# Altium PCB high-spped-thermocouple-logger.PcbDoc (part 2 of 3) (continued)
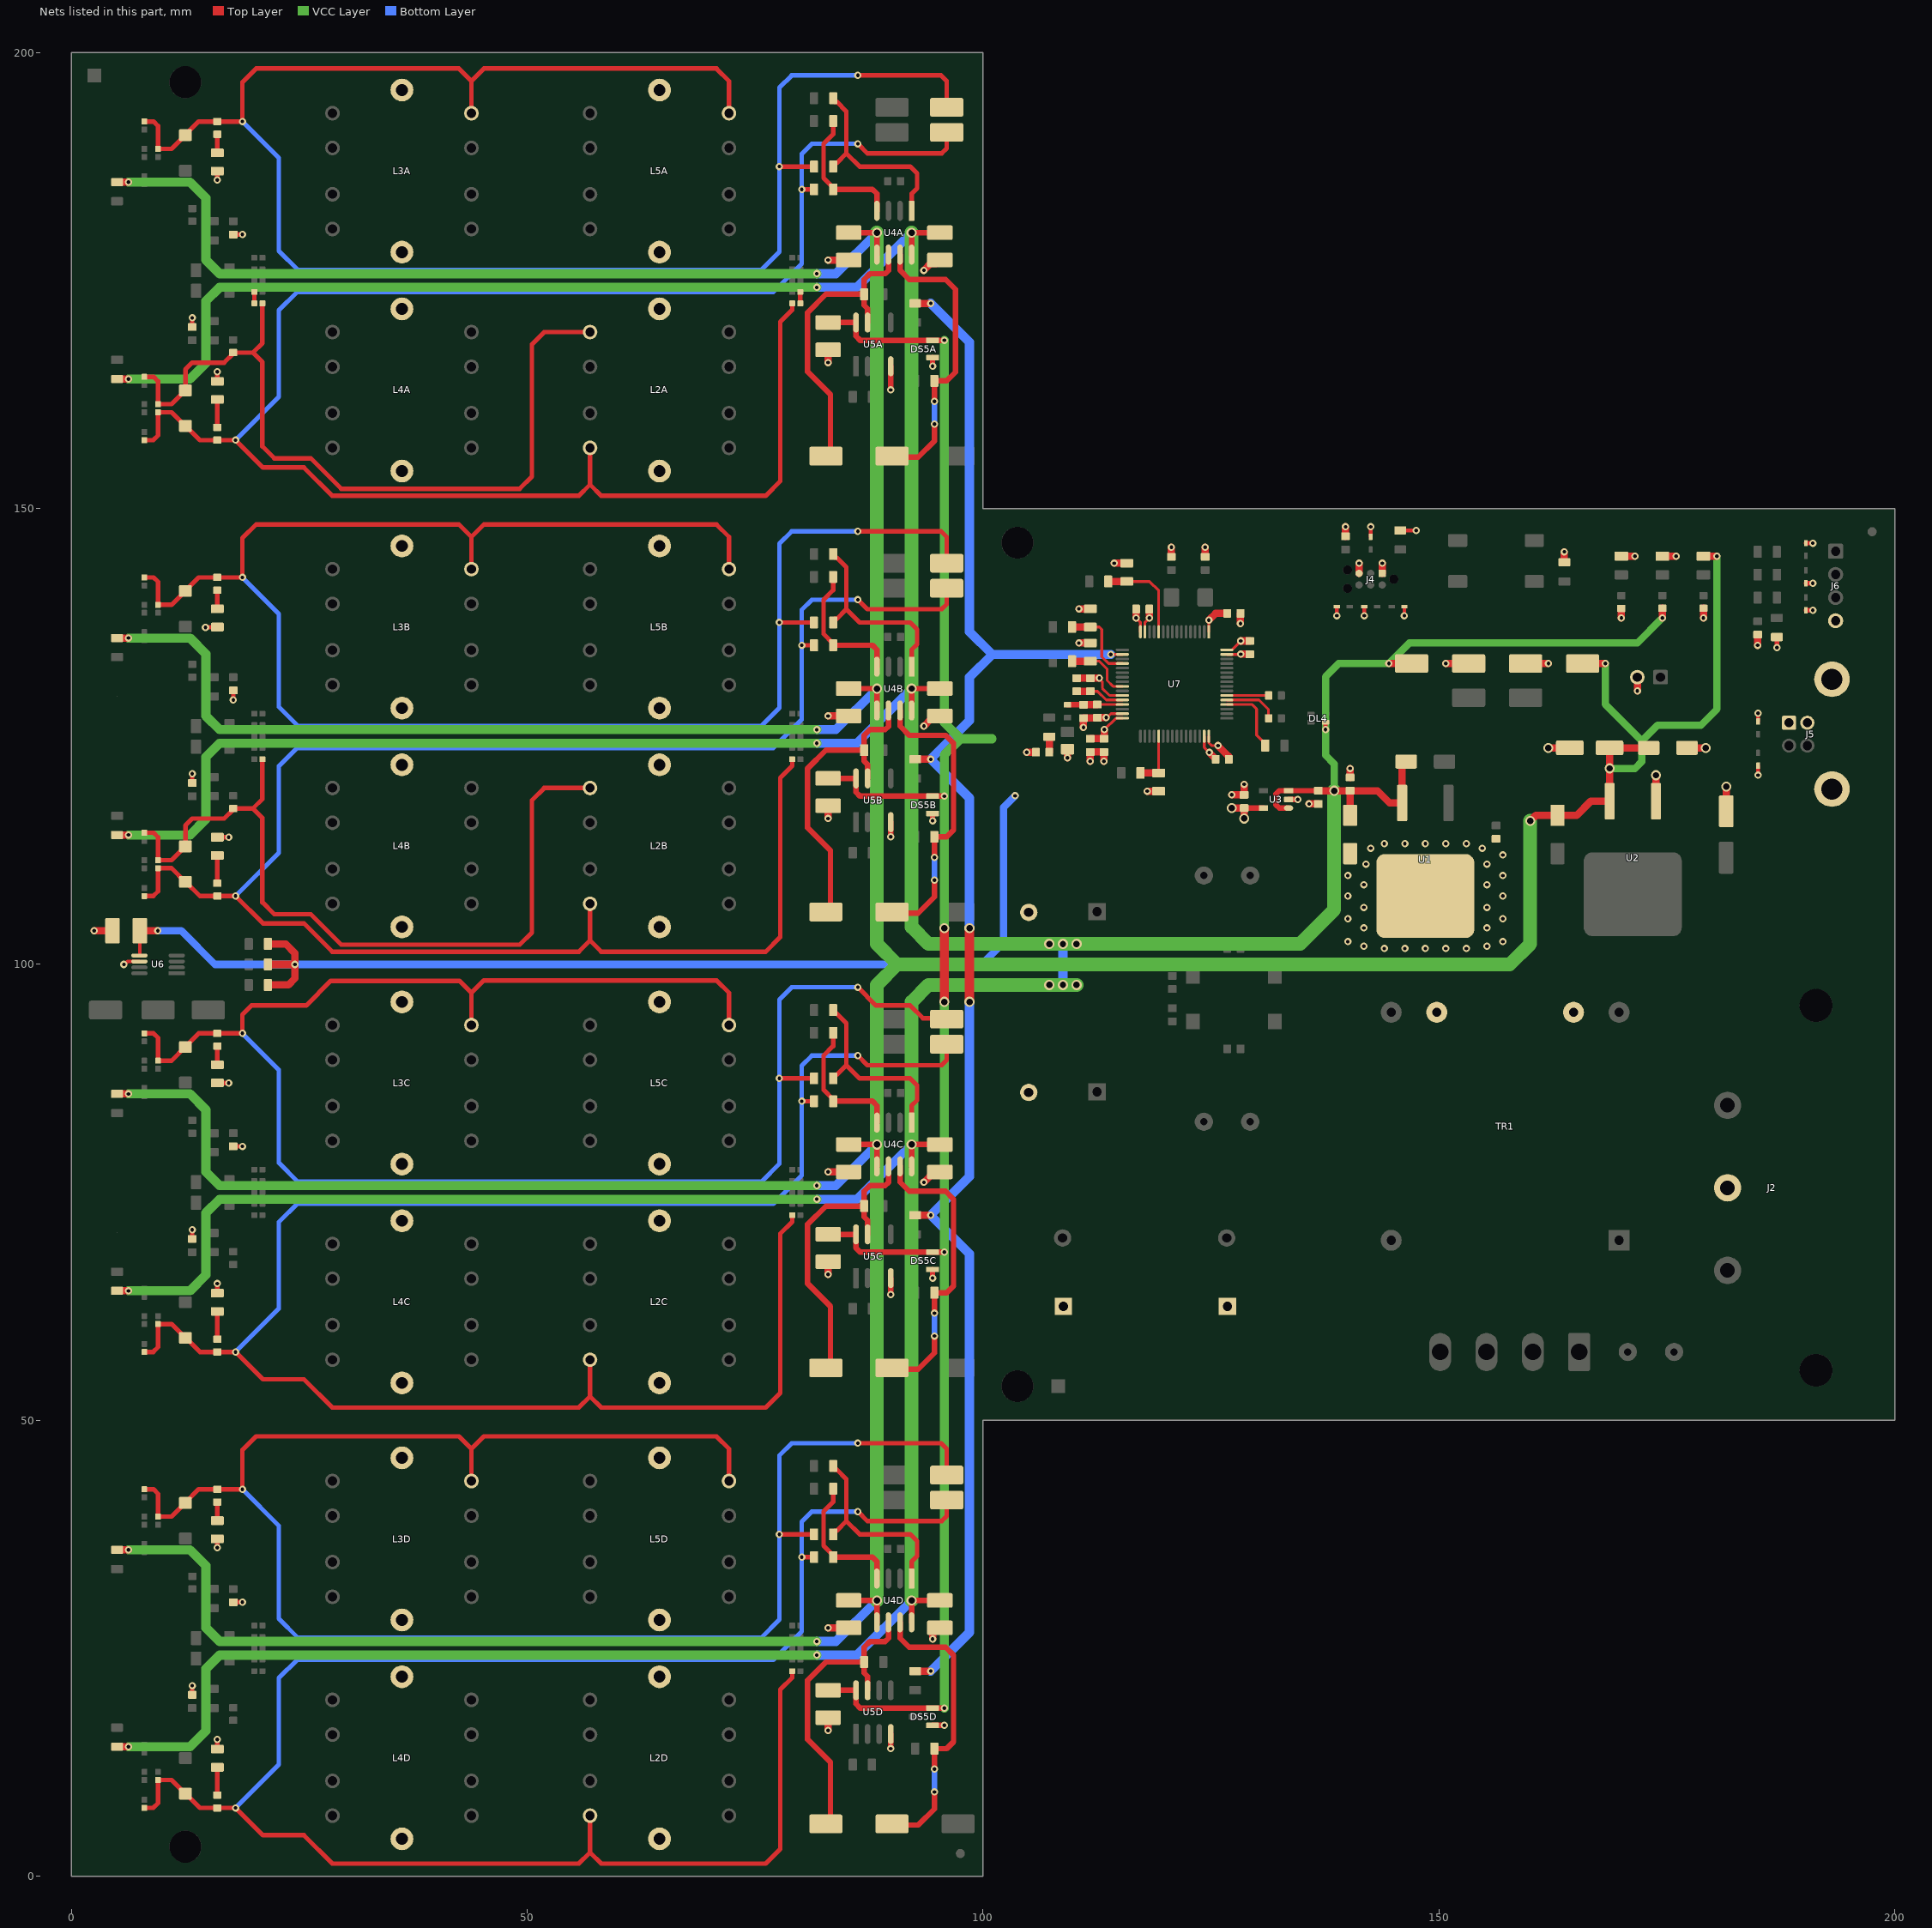
[diagram p4: the nets of this part, all layers, seen from the top]
## Part data (continued)
CVAR1A CVAR1B CVAR1C CVAR1D CVAR1E CVAR1F CVAR1G CVAR1H: library part CTSC3S, "3.5 - 10pF, 50V", ComponentLink1Description=Datasheet, ComponentLink1URL=https://store.comet.bg/download-file.php?id=2362
DG1: library part EDG+DF04SXX0, "D; Bridge; 400V; 1A; 1x;", Current_Rating_A=1, Manufacturer="YYE: DB107S T/R;;MicroElectronics: DB107S T/R;;GENERAL SEMICONDUCTOR: DF04S(A);;FAI: DF04S;;DIOTEC: B250(F)S", Reverse_Voltage_Rating_V=400, Component_Class=Diode, ComponentLink1Description=Helios, ComponentLink1URL=heliosgreen://v1/hegMT/5-MT/Classes(343)/Folders/OpenForm?RecordNumbers=[380577], ComponentLink2Description=EDG+DF04SXX0_Vishay.pdf, ComponentLink2URL=i:\DataSheets\EDG+DF04SXX0_Vishay.pdf, ComponentLink3Description=EDG+DF04SXX0_Fairchild.pdf, ComponentLink3URL=i:\DataSheets\EDG+DF04SXX0_Fairchild.pdf, ComponentLink4Description=EDG+DF04SXX0-a.jpg, ComponentLink4URL=i:\DataSheets\SMD_parts_pictures\EDG+DF04SXX0-a.jpg, Diode_Type=Bridge, KK=EDG+DF04SXX0, Multiplicity=1, SMD=1, Status_I=Production, Status_II=Active
DL1 DL2: library part EDL+SMDBLUEXX0, "Ind; Light; Blue;", Manufacturer="MULTICOMP: OVS-0803", Component_Class=Indicator, ComponentLink1Description=Helios, ComponentLink1URL=heliosgreen://v1/hegMT/5-MT/Classes(343)/Folders/OpenForm?RecordNumbers=[3654099], ComponentLink2Description=EDL+SMDBLUEXX0_Multicomp.pdf, ComponentLink2URL=i:\DataSheets\EDL+SMDBLUEXX0_Multicomp.pdf, Indicator_Output=Blue, Indicator_Type=Light, KK=EDL+SMDBLUEXX0, Note=465nm, SMD=1, Status_I=Production, Status_II=Active
DL3: library part EDL+SMDGREENXX0, "Ind; Light; Green;", Manufacturer="HEBEI: 0805KGCT;;BRIGHTLED: BL-HGE35A-AV-TRB", Component_Class=Indicator, ComponentLink1Description=Helios, ComponentLink1URL=heliosgreen://v1/hegMT/5-MT/Classes(343)/Folders/OpenForm?RecordNumbers=[380588], ComponentLink2Description=EDL+SMDGREENXX0_KingBright.pdf, ComponentLink2URL=i:\datasheets\EDL+SMDGREENXX0_KingBright.pdf, ComponentLink3Description=EDL+SMDGREENXX0_Hebei_EN100, ComponentLink3URL=i:\DataSheets\EDL+SMDGREENXX0_Hebei_EN100.pdf, ComponentLink4Description=EDL+SMDGREENXX0_Brightled_EN100, ComponentLink4URL=i:\DataSheets\EDL+SMDGREENXX0_Brightled_EN100.pdf, Indicator_Output=Green, Indicator_Type=Light, KK=EDL+SMDGREENXX0, Note=570nm, SMD=1, Status_I=Production, Status_II=Active
DL4: library part EDL+150066M173000X00, "Ind; Light; Red/Green/Blue;", Manufacturer="Würth: 150066M173000", Component_Class=Indicator, ComponentLink1Description=Helios, ComponentLink1URL=heliosgreen://v1/hegMT/5-MT/Classes(343)/Folders/OpenForm?RecordNumbers=[12710357], ComponentLink2Description=EDL+150066M173000_WurthEN100.pdf, ComponentLink2URL=i:\DataSheets\EDL+150066M173000_WurthEN100.pdf, Indicator_Output=Red/Green/Blue, Indicator_Type=Light, KK=EDL+150066M173000X00, SMD=1, Status_I=Production, Status_II=Active
DS1 DS2 DS3 DS4: library part EDS+B340AXX0, "D; Schottky; 40V; 3A; 1x;", Current_Rating_A=3, Manufacturer="DIODES INC: B340A-13-F;;ONS: MBRA340T3G;;VISHAY: SSA34;;BOURNS: B340LF;;MCC: SK34A-LTP", Reverse_Voltage_Rating_V=40, Component_Class=Diode, ComponentLink1Description=Helios, ComponentLink1URL=heliosgreen://v1/hegMT/5-MT/Classes(343)/Folders/OpenForm?RecordNumbers=[4517485], ComponentLink2Description=EDS+B340AXX0_Vishay.pdf, ComponentLink2URL=i:\DataSheets\EDS+B340AXX0_Vishay.pdf, ComponentLink3Description=EDS+B340AXX0_OnSemi.pdf, ComponentLink3URL=i:\datasheets\EDS+B340AXX0_OnSemi.pdf, ComponentLink4Description=EDS+B340AXX0_Diodes.pdf, ComponentLink4URL=i:\DataSheets\EDS+B340AXX0_Diodes.pdf, ComponentLink5Description=EDS+B340AXX0_Bourns.pdf, ComponentLink5URL=i:\datasheets\EDS+B340AXX0_Bourns.pdf, ComponentLink6Description=EDS+B340AXX0_MCCEN100.pdf, ComponentLink6URL=I:\DataSheets\EDS+B340AXX0_MCCEN100.pdf, Diode_Type=Schottky, KK=EDS+B340AXX0, Multiplicity=1, SMD=1, Status_I=Production, Status_II=Active
DS5A DS5B DS5C DS5D: library part EDS+BAT54SXX0, "D; Schottky; 30V; 0.2A; 2x;", Current_Rating_A=0.2, Manufacturer="Diotec: BAT54S;;Philips: BAT54S,235;;FAI: BAT54S;;DIODES INC: BAT54S-7-F;;NXP: BAT54S,235", Reverse_Voltage_Rating_V=30, Component_Class=Diode, ComponentLink1Description=Helios, ComponentLink1URL=heliosgreen://v1/hegMT/5-MT/Classes(343)/Folders/OpenForm?RecordNumbers=[380625], ComponentLink2Description=EDS+BAT54SXX0_Vishay.pdf, ComponentLink2URL=i:\DataSheets\EDS+BAT54SXX0_Vishay.pdf, ComponentLink3Description=EDS+BAT54SXX0_Fairchild.pdf, ComponentLink3URL=i:\DataSheets\EDS+BAT54SXX0_Fairchild.pdf, ComponentLink4Description=EDS+BAT54SXX0_Diodes.pdf, ComponentLink4URL=i:\DataSheets\EDS+BAT54SXX0_Diodes.pdf, ComponentLink5Description=EDS+BAT54SXX0_NxpEN100.pdf, ComponentLink5URL=I:\datasheets\EDS+BAT54SXX0_NxpEN100.pdf, ComponentLink6Description=EDS+BAT54SXX0_DiotecEN100.pdf, ComponentLink6URL=I:\DataSheets\EDS+BAT54SXX0_DiotecEN100.pdf, Diode_Type=Schottky, KK=EDS+BAT54SXX0, Multiplicity=2, SMD=1, Status_I=Production, Status_II=Active
DZ1 DZ2 DZ3 DZ4 DZ5 DZ6 DZ7 DZ8 DZ9: library part ED+PESD3V3U1UBXX0, "CP; Voltage [V] - Unidirectional; 4.5; R:Yes; 1x;", Manufacturer="Nexperia: PESD3V3U1UB,115;;NXP: PESD3V3U1UB,115", Component_Class="Circuit Protection", ComponentLink1Description=Helios, ComponentLink1URL=heliosgreen://v1/hegMT/5-MT/Classes(343)/Folders/OpenForm?RecordNumbers=[10662650], ComponentLink2Description=ED+PESD3V3U1UBXX0_NexperiaEN100.pdf, ComponentLink2URL=I:\DataSheets\ED+PESD3V3U1UBXX0_NexperiaEN100.pdf, KK=ED+PESD3V3U1UBXX0, Multiplicity=1, Physical_Quantity="Voltage [V] - Unidirectional", Resettable=Yes, SMD=1, Status_I=Production, Status_II=Active, Trip_Threshold=4.5
F1 F2: library part EF-MST0.2ASC0, "CP; Current [A]; 0.2; R:No; 1x;", Manufacturer="SCHURTER: MST250 0034.6608;;SCHURTER: MST250 0034.6708", Component_Class="Circuit Protection", ComponentLink1Description=Helios, ComponentLink1URL=heliosgreen://v1/hegMT/5-MT/Classes(343)/Folders/OpenForm?RecordNumbers=[380401], ComponentLink2Description=EF-MST_250_Schurter.pdf, ComponentLink2URL=i:\DataSheets\EF-MST_250_Schurter.pdf, KK=EF-MST0.2ASC0, Multiplicity=1, Physical_Quantity="Current [A]", Resettable=No, SMD=0, Status_I=Production, Status_II=Active, Trip_Threshold=0.2
F3: library part EF-MST1.0ASC0, "CP; Current [A]; 1; R:No; 1x;", Manufacturer="SCHURTER: 34,6615", Component_Class="Circuit Protection", ComponentLink1Description=Helios, ComponentLink1URL=heliosgreen://v1/hegMT/5-MT/Classes(343)/Folders/OpenForm?RecordNumbers=[380402], ComponentLink2Description=EF-MSTxASC0_Schurter.pdf, ComponentLink2URL=i:\DataSheets\EF-MSTxASC0_Schurter.pdf, ComponentLink3Description=EF-MST_250_Schurter.pdf, ComponentLink3URL=i:\DataSheets\EF-MST_250_Schurter.pdf, KK=EF-MST1.0ASC0, Multiplicity=1, Physical_Quantity="Current [A]", Resettable=No, SMD=0, Status_I=Production, Status_II=Active, Trip_Threshold=1
FB1: library part EL+JCB09152XX0, "Flt; Chip Bead; 0.7Ohm; 0.2A; ??V; 1x;", Current_Rating_A=0.2, Manufacturer="COILMASTER: MB2012-152-LF;;JANTEK: JCB201209-152;;King Core: FBM-10-201209-102;;YAGEO: SBK2012T-152Y-S;;TDK: MMZ2012Y152B", Resistance_Ohm=0.7, Component_Class=Filter, ComponentLink1Description=Helios, ComponentLink1URL=heliosgreen://v1/hegMT/5-MT/Classes(343)/Folders/OpenForm?RecordNumbers=[381245], ComponentLink2Description=EL+JCB09152XX0_Coilmaster.pdf, ComponentLink2URL=i:\DataSheets\EL+JCB09152XX0_Coilmaster.pdf, Filter_Type="Chip Bead", KK=EL+JCB09152XX0, Mounting_Style=PCB, Multiplicity=1, SMD=1, Status_I=Production, Status_II=Active
FB2: library part EL+MMZ1608B301XX0, "Flt; Chip Bead; 0.25Ohm; 0.5A; ??V; 1x;", Current_Rating_A=0.5, Manufacturer="TDK: MMZ1608B301CTAH0;;TDK: MMZ1608B301CT", Resistance_Ohm=0.25, Component_Class=Filter, ComponentLink1Description=Helios, ComponentLink1URL=heliosgreen://v1/hegMT/5-MT/Classes(343)/Folders/OpenForm?RecordNumbers=[10556082], ComponentLink2Description="EL+MMZ1608B301XX0_TDK EN100.pdf", ComponentLink2URL="I:\DataSheets\EL+MMZ1608B301XX0_TDK EN100.pdf", Filter_Type="Chip Bead", KK=EL+MMZ1608B301XX0, Mounting_Style=PCB, Multiplicity=1, SMD=1, Status_I=Production, Status_II=Active
FM1 FM2: library part 000+FMC100, "De; Fiducial Mark;", Component_Class="Design Entity", ComponentLink1Description=Helios, ComponentLink1URL=heliosgreen://v1/hegMT/5-MT/Classes(343)/Folders/OpenForm?RecordNumbers=[12022158], Entity_Type="Fiducial Mark", KK=000+FMC100, SMD=1, Status_I=Development, Status_II=Testing
FM3 FM4: library part 000+FMS100, "De; Fiducial Mark;", Component_Class="Design Entity", ComponentLink1Description=Helios, ComponentLink1URL=heliosgreen://v1/hegMT/5-MT/Classes(343)/Folders/OpenForm?RecordNumbers=[12022164], Entity_Type="Fiducial Mark", KK=000+FMS100, SMD=1, Status_I=Development, Status_II=Testing
H1 H2 H3 H4: library part 000-HOLE3.5NP100, "De; Hole;", Component_Class="Design Entity", ComponentLink1Description=Helios, ComponentLink1URL=heliosgreen://v1/hegMT/5-MT/Classes(343)/Folders/OpenForm?RecordNumbers=[13035934], Entity_Type=Hole, KK=000-HOLE3.5NP100, Note="Hole 3,5mm, Nonplated", SMD=0, Status_I=Development, Status_II="Approval pending"
J1: library part EJ-5281-NA4MX0, "Con; Wire to board RM5.04; 4x; PCB; Straight; 250V; 7A; Male; Tin; ??;", Current_Rating_A=7, Manufacturer="HSUAN MAO: W4508-04PSYTW0R;;HSM: W4508-04PSYTW0R;;MOLEX: 10-32-1041", Voltage_Rating_V=250, Angle=Straight, Component_Class=Connector, ComponentLink1Description=Helios, ComponentLink1URL=heliosgreen://v1/hegMT/5-MT/Classes(343)/Folders/OpenForm?RecordNumbers=[380714], ComponentLink2Description="EJ-5281-NA4MX0_HSUAN MAO.pdf", ComponentLink2URL="i:\datasheets\EJ-5281-NA4MX0_HSUAN MAO.pdf", ComponentLink3Description=EJ-5281-NA4MX0_MOLEX.pdf, ComponentLink3URL=i:\datasheets\EJ-5281-NA4MX0_MOLEX.pdf, Connector_Family="Wire to board RM5.04", Gender=Male, KK=EJ-5281-NA4MX0, Mounting_Style=PCB, Multiplicity=4, Plating=Tin, SMD=0, Status_I=Production, Status_II=Active, System=Connector
J2: library part EJ-GSP1SC1, "Con; AC plug; 1x; PCB; ??; 250V; 10A; Male; Tin; ??;", Current_Rating_A=10, Manufacturer="SCHURTER: GSP1.8501.1", Voltage_Rating_V=250, Component_Class=Connector, ComponentLink1Description=Helios, ComponentLink1URL=heliosgreen://v1/hegMT/5-MT/Classes(343)/Folders/OpenForm?RecordNumbers=[380789], ComponentLink2Description=EJ-GSP1SC1_Schurter.pdf, ComponentLink2URL=i:\DataSheets\EJ-GSP1SC1_Schurter.pdf, ComponentLink3Description=EJ-GSP1SC1_Schurter1.pdf, ComponentLink3URL=i:\DataSheets\EJ-GSP1SC1_Schurter1.pdf, Connector_Family="AC plug", Gender=Male, KK=EJ-GSP1SC1, Mounting_Style=PCB, Multiplicity=1, Note=C14, Plating=Tin, SMD=0, Status_I=Production, Status_II=Active, System=Connector
J3A J3B J3C J3D: "Universal SMD thermocouple connector, 2 pin, Female", ComponentLink1Description=Datasheet, ComponentLink1URL=https://www.farnell.com/datasheets/2913879.pdf
J4: "De; Programming connector;", Component_Class="Design Entity", ComponentLink1Description=Helios, ComponentLink1URL=heliosgreen://v1/hegMT/5-MT/Classes(343)/Folders/OpenForm?RecordNumbers=[12745287], Entity_Type="Programming connector", KK=000-TC2030-ARM100, Note="Programming connector ARM - STM32", SMD=0, Status_I=Development, Status_II=Testing
J5: library part EJ-67068-04XX0, "Con; USB; 1x; PCB; Right angle; 250V; 1.5A; Female; Gold; ??;", Current_Rating_A=1.5, Manufacturer="HSUAN MAO: C8317-04BFHSB0R;;HSM: C8317-04BFHSB0R", Voltage_Rating_V=250, Angle="Right angle", Component_Class=Connector, ComponentLink1Description=Helios, ComponentLink1URL=heliosgreen://v1/hegMT/5-MT/Classes(343)/Folders/OpenForm?RecordNumbers=[380719], ComponentLink2Description="EJ-67068-04XX0_Hsuan Mao.pdf", ComponentLink2URL="i:\datasheets\EJ-67068-04XX0_Hsuan Mao.pdf", Connector_Family=USB, Gender=Female, KK=EJ-67068-04XX0, Mounting_Style=PCB, Multiplicity=1, Note="USB B", Plating=Gold, SMD=0, Status_I=Production, Status_II=Active, System=Connector
J6: "Female Header, Single row, 1 x 4, R/A, THT"
J7: library part EJ-PSH0202WXX0, "Con; PFH/PSH; 2x; PCB; Right angle; 250V; 3A; Male; Tin; ??;", Current_Rating_A=3, Manufacturer="Neltron: 2217R-XX-WH2", Voltage_Rating_V=250, Angle="Right angle", Component_Class=Connector, ComponentLink1Description=Helios, ComponentLink1URL=heliosgreen://v1/hegMT/5-MT/Classes(343)/Folders/OpenForm?RecordNumbers=[380843], ComponentLink2Description=EJ-PSH0202WXX0_NeltronEN100.pdf, ComponentLink2URL=I:\datasheets\EJ-PSH0202WXX0_NeltronEN100.pdf, Connector_Family=PFH/PSH, Gender=Male, KK=EJ-PSH0202WXX0, Mounting_Style=PCB, Multiplicity=2, Plating=Tin, SMD=0, Status_I=Production, Status_II=Active, System=Connector
L1A L1B L1C L1D: library part EL+11U0.45ACM1812XX0, "Flt; Common Mode Chokes; 0.8Ohm; 0.45A; 60V; 1x;", Current_Rating_A=0.45, Manufacturer="Würth: 744235110", Resistance_Ohm=0.8, Voltage_Rating_V=60, Component_Class=Filter, ComponentLink1Description=Helios, ComponentLink1URL=heliosgreen://v1/hegMT/5-MT/Classes(343)/Folders/OpenForm?RecordNumbers=[12661641], ComponentLink2Description=EL+11U0.45ACM1812XX0_WurthEN100.pdf, ComponentLink2URL=i:\DataSheets\EL+11U0.45ACM1812XX0_WurthEN100.pdf, Filter_Type="Common Mode Chokes", KK=EL+11U0.45ACM1812XX0, Mounting_Style=PCB, Multiplicity=1, Note="11uH, 0.45A, 5k@100MHz", SMD=1, Status_I=Production, Status_II=Active
L2A L2B L2C L2D L3A L3B L3C L3D L4A L4B L4C L4D L5A L5B L5C L5D: "Inductor, RM6 Core", ComponentLink1Description=Datasheet, ComponentLink1URL=https://www.tdk-electronics.tdk.com/inf/80/db/fer/rm_6.pdf
LB1: library part 000-SPACE2D100, "De; Space for...;", Component_Class="Design Entity", ComponentLink1Description=Helios, ComponentLink1URL=heliosgreen://v1/hegMT/5-MT/Classes(343)/Folders/OpenForm?RecordNumbers=[12022194], Entity_Type="Space for...", KK=000-SPACE2D100, Note="Space for 2D code sticker", SMD=0, Status_I=Development, Status_II=Testing
R1 R2 R3 R10A R10B R10C R10D R11A R11B R11C R11D R12A R12B R12C R12D R13A R13B R13C R13D R24 R25: library part ER+470R0.1WXX2, "R; 470R; 0.1W; 1%; 75V; Thick Film; ±100ppm/K; 1x;", Manufacturer="Yageo: RC0603FR-07470RL;;Panasonic: ERJ3EKF4700V", Power_Rating_W=0.1, Resistance_Ohm=470, Resistor_Type="Thick Film", Temperature_Coefficient_PPMpK=±100, Tolerance_Pct=1, Voltage_Rating_V=75, Component_Class=Resistor, ComponentLink1Description=Helios, ComponentLink1URL=heliosgreen://v1/hegMT/5-MT/Classes(343)/Folders/OpenForm?RecordNumbers=[11656564], ComponentLink2Description=ER+470R0.1WXX2_YageoEN100.pdf, ComponentLink2URL=I:\DataSheets\ER+470R0.1WXX2_YageoEN100.pdf, ComponentLink3Description=ER+470R0.1WXX2_PanasonicEN100.pdf, ComponentLink3URL=I:\datasheets\ER+470R0.1WXX2_PanasonicEN100.pdf, KK=ER+470R0.1WXX2, Multiplicity=1, SMD=1, Status_I=Production, Status_II=Active
R4A R4B R4C R4D R7A R7B R7C R7D: library part ER+10R0.1WXXF, "R; 10R; 0.125W; 1%; 150V; Thick Film; ±200ppm/K; 1x;", Manufacturer="YAGEO: RC0805FR-1010RL;;YAGEO: RC0805FR-0710RL;;YAGEO: RC0805FR-1310RL;;AVX: CR21-0100F-T;;BC Components: MCU0805-50 1% P5 10R;;SAMSUNG: RC2012F100CS", Power_Rating_W=0.125, Resistance_Ohm=10, Resistor_Type="Thick Film", Temperature_Coefficient_PPMpK=±200, Tolerance_Pct=1, Voltage_Rating_V=150, Component_Class=Resistor, ComponentLink1Description=Helios, ComponentLink1URL=heliosgreen://v1/hegMT/5-MT/Classes(343)/Folders/OpenForm?RecordNumbers=[381485], ComponentLink2Description=ER+0.1WXXF_Yageo.pdf, ComponentLink2URL=i:\DataSheets\ER+0.1WXXF_Yageo.pdf, ComponentLink3Description=ER+10R0.1WXXF_SamsungEN100.pdf, ComponentLink3URL=i:\datasheets\ER+10R0.1WXXF_SamsungEN100.pdf, ComponentLink4Description=ER+10R0.1WXXF_AvxEN100, ComponentLink4URL=i:\DataSheets\ER+10R0.1WXXF_AvxEN100.pdf, KK=ER+10R0.1WXXF, Multiplicity=1, SMD=1, Status_I=Production, Status_II=Active
R5A R5B R5C R5D R6A R6B R6C R6D R8A R8B R8C R8D R9A R9B R9C R9D: library part ER+0RXX1, "R; 0R; 0.125W; 1%; 150V; Thick Film; ±200ppm/K; 1x;", Manufacturer="YAGEO: RC0805JR-100RL;;YAGEO: RC0805JR-130RL;;YAGEO: RC0805JR-070RL", Power_Rating_W=0.125, Resistance_Ohm=0, Resistor_Type="Thick Film", Temperature_Coefficient_PPMpK=±200, Tolerance_Pct=1, Voltage_Rating_V=150, Component_Class=Resistor, ComponentLink1Description=Helios, ComponentLink1URL=heliosgreen://v1/hegMT/5-MT/Classes(343)/Folders/OpenForm?RecordNumbers=[381470], ComponentLink2Description=ER+0.1WXXF_Yageo.pdf, ComponentLink2URL=i:\DataSheets\ER+0.1WXXF_Yageo.pdf, KK=ER+0RXX1, Multiplicity=1, SMD=1, Status_I=Production, Status_II=Active
R14A R14B R14C R14D R16A R16B R16C R16D R18A R18B R18C R18D R19 R20 R21 R22 R27 R32A R32B R32C R32D: library part ER+10K0.1WXXF, "R; 10k; 0.125W; 1%; 150V; Thick Film; ±100ppm/K; 1x;", Manufacturer="VISHAY: CRCW0805 10KOHM TK100 1%;;AVX: CR21-1002F-T;;BC Components: MCU0805-50 1% P5 10k;;YAGEO: RC0805FR-0710KL;;PANASONIC: ERJ 6EN F 1002 V;;HaS Lanskroun: CMF0805 10k 1% 100ppm/K;;ASJ: CR21-1002-FL", Power_Rating_W=0.125, Resistance_Ohm=10000, Resistor_Type="Thick Film", Temperature_Coefficient_PPMpK=±100, Tolerance_Pct=1, Voltage_Rating_V=150, Component_Class=Resistor, ComponentLink1Description=Helios, ComponentLink1URL=heliosgreen://v1/hegMT/5-MT/Classes(343)/Folders/OpenForm?RecordNumbers=[381481], ComponentLink2Description=ER+0.1WXXF_Yageo.pdf, ComponentLink2URL=i:\DataSheets\ER+0.1WXXF_Yageo.pdf, KK=ER+10K0.1WXXF, Multiplicity=1, SMD=1, Status_I=Production, Status_II=Active
R15A R15B R15C R15D R29 R30 R31: library part ER+47R0.1WXXF, "R; 47R; 0.125W; 1%; 150V; Thick Film; ±100ppm/K; 1x;", KK=ER+47R0.1WXXF
R17A R17B R17C R17D: "R; 54R9; 62.5mW; 0.1%; 50V; Thin Film; ±25ppm/K; 1x;", ComponentLink1Description=Datasheet, ComponentLink1URL=https://bg.farnell.com/panasonic/era6aeb49r9v/res-0805-49r9-0-125w-metal-film/dp/1810372
R23 R28: library part ER+1K0.1WXXF, "R; 1k; 0.125W; 1%; 150V; Thick Film; ±100ppm/K; 1x;", Manufacturer="VISHAY: CRCW0805 1001 100 1% RT1 BC;;AVX: CR21-1001F-T;;BC Components: MCU0805-50 1% P5 1k0;;YAGEO: RC0805FR-071KL;;PANASONIC: ERJ 6EN F 1001 V;;HaS Lanskroun: CMF0805 1k0 1% 100ppm/K;;ASJ: CR21-1001-FL", Power_Rating_W=0.125, Resistance_Ohm=1000, Resistor_Type="Thick Film", Temperature_Coefficient_PPMpK=±100, Tolerance_Pct=1, Voltage_Rating_V=150, Component_Class=Resistor, ComponentLink1Description=Helios, ComponentLink1URL=heliosgreen://v1/hegMT/5-MT/Classes(343)/Folders/OpenForm?RecordNumbers=[381513], ComponentLink2Description=ER+0.1WXXF_Yageo.pdf, ComponentLink2URL=i:\DataSheets\ER+0.1WXXF_Yageo.pdf, KK=ER+1K0.1WXXF, Multiplicity=1, SMD=1, Status_I=Production, Status_II=Active
R26: library part ER+4R70.1WXXJ, "R; 4R7; 0.125W; 5%; 150V; Thick Film; ±200ppm/K; 1x;", Manufacturer="YAGEO: RC0805FR-074R7L;;BC Components: MCU0805-50 1% P5 4R7", Power_Rating_W=0.125, Resistance_Ohm=4.7, Resistor_Type="Thick Film", Temperature_Coefficient_PPMpK=±200, Tolerance_Pct=5, Voltage_Rating_V=150, Component_Class=Resistor, ComponentLink1Description=Helios, ComponentLink1URL=heliosgreen://v1/hegMT/5-MT/Classes(343)/Folders/OpenForm?RecordNumbers=[381599], ComponentLink2Description=ER+0.1WXXF_Yageo.pdf, ComponentLink2URL=i:\DataSheets\ER+0.1WXXF_Yageo.pdf, ComponentLink3Description=ER+1WXXJ_Yageo.pdf, ComponentLink3URL=i:\DataSheets\ER+1WXXJ_Yageo.pdf, KK=ER+4R70.1WXXJ, Multiplicity=1, SMD=1, Status_I=Production, Status_II=Active
R33A R33B R33C R33D R34A R34B R34C R34D: library part ER+10M0.1WXXJ, "R; 10Meg; 0.125W; 5%; 150V; Thick Film; ±100ppm/K; 1x;", Manufacturer="YAGEO: RC0805JR-0710ML;;BC Components: MCU0805-50 1% P5 10M;;PANASONIC: ERJ 6GE Y J 106 V", Power_Rating_W=0.125, Resistance_Ohm=10000000, Resistor_Type="Thick Film", Temperature_Coefficient_PPMpK=±100, Tolerance_Pct=5, Voltage_Rating_V=150, Component_Class=Resistor, ComponentLink1Description=Helios, ComponentLink1URL=heliosgreen://v1/hegMT/5-MT/Classes(343)/Folders/OpenForm?RecordNumbers=[381483], ComponentLink2Description=ER+1WXXJ_Yageo.pdf, ComponentLink2URL=i:\DataSheets\ER+1WXXJ_Yageo.pdf, ComponentLink3Description=ER+10M0.1WXXJ_VishayEN100, ComponentLink3URL=i:\DataSheets\ER+10M0.1WXXJ_VishayEN100.pdf, ComponentLink4Description=ER+10M0.1WXXJ_PanasonicEN100, ComponentLink4URL=i:\DataSheets\ER+10M0.1WXXJ_PanasonicEN100.pdf, KK=ER+10M0.1WXXJ, Multiplicity=1, SMD=1, Status_I=Production, Status_II=Active
S1: library part 000-SYMBTL100, "De; Symbols/Tables;", Component_Class="Design Entity", ComponentLink1Description=Helios, ComponentLink1URL=heliosgreen://v1/hegMT/5-MT/Classes(343)/Folders/OpenForm?RecordNumbers=[12022368], Entity_Type=Symbols/Tables, KK=000-SYMBTL100, Note="Symbol BTL logos for silkscreen or Copper", SMD=0, Status_I=Development, Status_II=Testing
S2: library part 000-SYMBIN100, "De; Symbols/Tables;", Component_Class="Design Entity", ComponentLink1Description=Helios, ComponentLink1URL=heliosgreen://v1/hegMT/5-MT/Classes(343)/Folders/OpenForm?RecordNumbers=[12022356], Entity_Type=Symbols/Tables, KK=000-SYMBIN100, Note="Symbol Crossed Bin", SMD=0, Status_I=Development, Status_II=Testing
SW2: library part ESW+LSH1301XX0, "MSw; SPST; PCB; 1x; DC:12V; DC:0.05A; AC:??V; AC:??A; CV:??V; Push-button;", Current_Rating_DC_A=0.05, Manufacturer="DIPTRONICS: DTSM-62N-V-T/R", Voltage_Rating_DC_V=12, Component_Class="Mechanical Switch", ComponentLink1Description=Helios, ComponentLink1URL=heliosgreen://v1/hegMT/5-MT/Classes(343)/Folders/OpenForm?RecordNumbers=[382002], ComponentLink2Description=ESW+LSH1301H7XX0_Schurter.pdf, ComponentLink2URL=i:\DataSheets\ESW+LSH1301H7XX0_Schurter.pdf, ComponentLink3Description=ESW+LSH1301XX0-a.jpg, ComponentLink3URL=i:\DataSheets\SMD_parts_pictures\ESW+LSH1301XX0-a.jpg, ComponentLink4Description=ESW+LSH1301XX0-b.jpg, ComponentLink4URL=i:\DataSheets\SMD_parts_pictures\ESW+LSH1301XX0-b.jpg, ComponentLink5Description=ESW+LSH1301XX0_DiptronicsEN100, ComponentLink5URL=i:\DataSheets\ESW+LSH1301XX0_DiptronicsEN100.pdf, KK=ESW+LSH1301XX0, Mechanical_Switch_Type=Push-button, Mounting_Style=PCB, Multiplicity=1, SMD=1, Status_I=Production, Status_II=Active, Switch_Configuration=SPST
TP1 TP2 TP3 TP4 TP5 TP6 TP7A TP7B TP7C TP7D TP8A TP8B TP8C TP8D TP9A TP9B TP9C TP9D TP10A TP10B TP10C TP10D TP11A TP11B TP11C TP11D TP12A TP12B TP12C TP12D TP13A TP13B TP13C TP13D TP14 TP15 TP16: library part EJ+TESTPOINTXX0, "Con; Test Point; 1x; PCB; ??; ??V; ??A; ??; Tin; Contact;", Manufacturer="Harwin: S1751-46R", Component_Class=Connector, ComponentLink1Description=Helios, ComponentLink1URL=heliosgreen://v1/hegMT/5-MT/Classes(343)/Folders/OpenForm?RecordNumbers=[5618398], ComponentLink2Description=EJ+TESTPOINTXX0_HarwinEN100.pdf, ComponentLink2URL=i:\datasheets\EJ+TESTPOINTXX0_HarwinEN100.pdf, ComponentLink3Description=EJ+TESTPOINTXX0_BoardWareEN100.pdf, ComponentLink3URL=i:\datasheets\EJ+TESTPOINTXX0_BoardWareEN100.pdf, Connector_Family="Test Point", Connector_Part=Contact, KK=EJ+TESTPOINTXX0, Mounting_Style=PCB, Multiplicity=1, Plating=Tin, SMD=1, Status_I=Production, Status_II=Active, System=Connector
TR1: "Transformer 230V/2x9V, 2x178mA", ComponentLink1Description=Datasheet, ComponentLink1URL=https://www.tme.eu/Document/cb1d7fdbe3570188ff28030ca3a4f1cf/Catalogue%20Myrra%202018%20compress%C3%A9.pdf
U1: library part L7805AC, "Fixed, Three Terminal Pos  Regulator 5V/1A in D2PAK", ComponentLink1Description=Datasheet, ComponentLink1URL=https://www.farnell.com/datasheets/1805459.pdf
U2: library part L7905AC, "Fixed, Three Terminal Pos  Regulator -5V/1A in D2PAK", ComponentLink1Description=Datasheet, ComponentLink1URL=https://www.farnell.com/datasheets/2581705.pdf
U3: library part EU+TLV73333PDBVTXX0, "IC; Linear Regulator/Reference; ??V; 5.5V; 1x;", Manufacturer="Texas Instruments: TLV73333PDBVT", Component_Class=IC, ComponentLink1Description=Helios, ComponentLink1URL=heliosgreen://v1/hegMT/5-MT/Classes(343)/Folders/OpenForm?RecordNumbers=[10961858], ComponentLink2Description=EU+TLV73333PDBVTXX0_TexasEN100.pdf, ComponentLink2URL=I:\DataSheets\EU+TLV73333PDBVTXX0_TexasEN100.pdf, IC_Type="Linear Regulator/Reference", KK=EU+TLV73333PDBVTXX0, Multiplicity=1, Note="3.3V, 300mA, 1% (1.4% max), Capacitor Free,Low Dropout Regulator", SMD=1, Status_I=Production, Status_II=Active, Vmax_V=5.5
U4A U4B U4C U4D: "High Performance, Low Power, Precision Instrumentation Amplifier"
U5A U5B U5C U5D: library part EU+OPA2863DRXX0, "IC; Opamp; 2.7V; 12.6V; 2x;", Manufacturer="Texas Instruments: OPA2863DR", Component_Class=IC, ComponentLink1Description=Helios, ComponentLink1URL=heliosgreen://v1/hegMT/5-MT/Classes(343)/Folders/OpenForm?RecordNumbers=[21742645], ComponentLink2Description=EU+OPA2863DRXX0_TexasInstrumentsEN100.pd, ComponentLink2URL=I:\DataSheets\EU+OPA2863DRXX0_TexasInstrumentsEN100.pdf, IC_Type=Opamp, KK=EU+OPA2863DRXX0, Multiplicity=2, Note="Dual 50MHz, 105V/µs, R-to-R, Precision Op Amps;Pin to pin compatible cheaper alternative of EU+LT6221CS8XX0", SMD=1, Status_I=Production, Status_II=Active, Vmax_V=12.6, Vmin_V=2.7
U6: library part EU+AD7414ARMZXX0, "Sen; Temperature [°C]; Digital/PWM; 0.5%;", Manufacturer="ANALOG DEVICES: AD7414ARMZ-0;;ANALOG DEVICES: AD7414ARMZ-0REEL7", Tolerance_Pct=0.5, Component_Class=Sensor, ComponentLink1Description=Helios, ComponentLink1URL=heliosgreen://v1/hegMT/5-MT/Classes(343)/Folders/OpenForm?RecordNumbers=[7785359], ComponentLink2Description=EU+AD7414ARMZXX0_ADEN100.pdf, ComponentLink2URL=i:\datasheets\EU+AD7414ARMZXX0_ADEN100.pdf, KK=EU+AD7414ARMZXX0, Physical_Quantity="Temperature [°C]", Sensor_Output=Digital/PWM, SMD=1, Status_I=Production, Status_II=Active
U7: "ARM Cortex-M4 32-bit MCU+FPU, 213 DMIPS, 512 kB Flash, 128 kB Internal RAM, 52 I/Os, 64-pin LQFP, -40 to 85 degC, Tray", ComponentLink1Description=Datasheet, ComponentLink1URL=https://www.st.com/resource/en/datasheet/stm32g474cb.pdf
X1: library part EX+8.000MXX2, "Oth; Crystal;", Manufacturer="Abracon: ABM3-8.000MHZ-D2Y-T", Component_Class=Other, ComponentLink1Description=Helios, ComponentLink1URL=heliosgreen://v1/hegMT/5-MT/Classes(343)/Folders/OpenForm?RecordNumbers=[17102653], ComponentLink2Description=EX+8.000MXX2_AbraconEN100.pdf, ComponentLink2URL=I:\DataSheets\EX+8.000MXX2_AbraconEN100.pdf, KK=EX+8.000MXX2, Note="8MHz, freq tol. 20ppm, freq stab. 30ppm, 18pF", Others_Type=Crystal, SMD=1, Status_I=Production, Status_II=Active

## Via types
v1: diameter 0.8, hole 0.4, Top Layer to Bottom Layer, 261 vias
v2: diameter 1.1, hole 0.7, Top Layer to Bottom Layer, 27 vias
